# Altium PCB BRZ_BATT_MANAGER.PcbDoc (part 1 of 2) (continued)
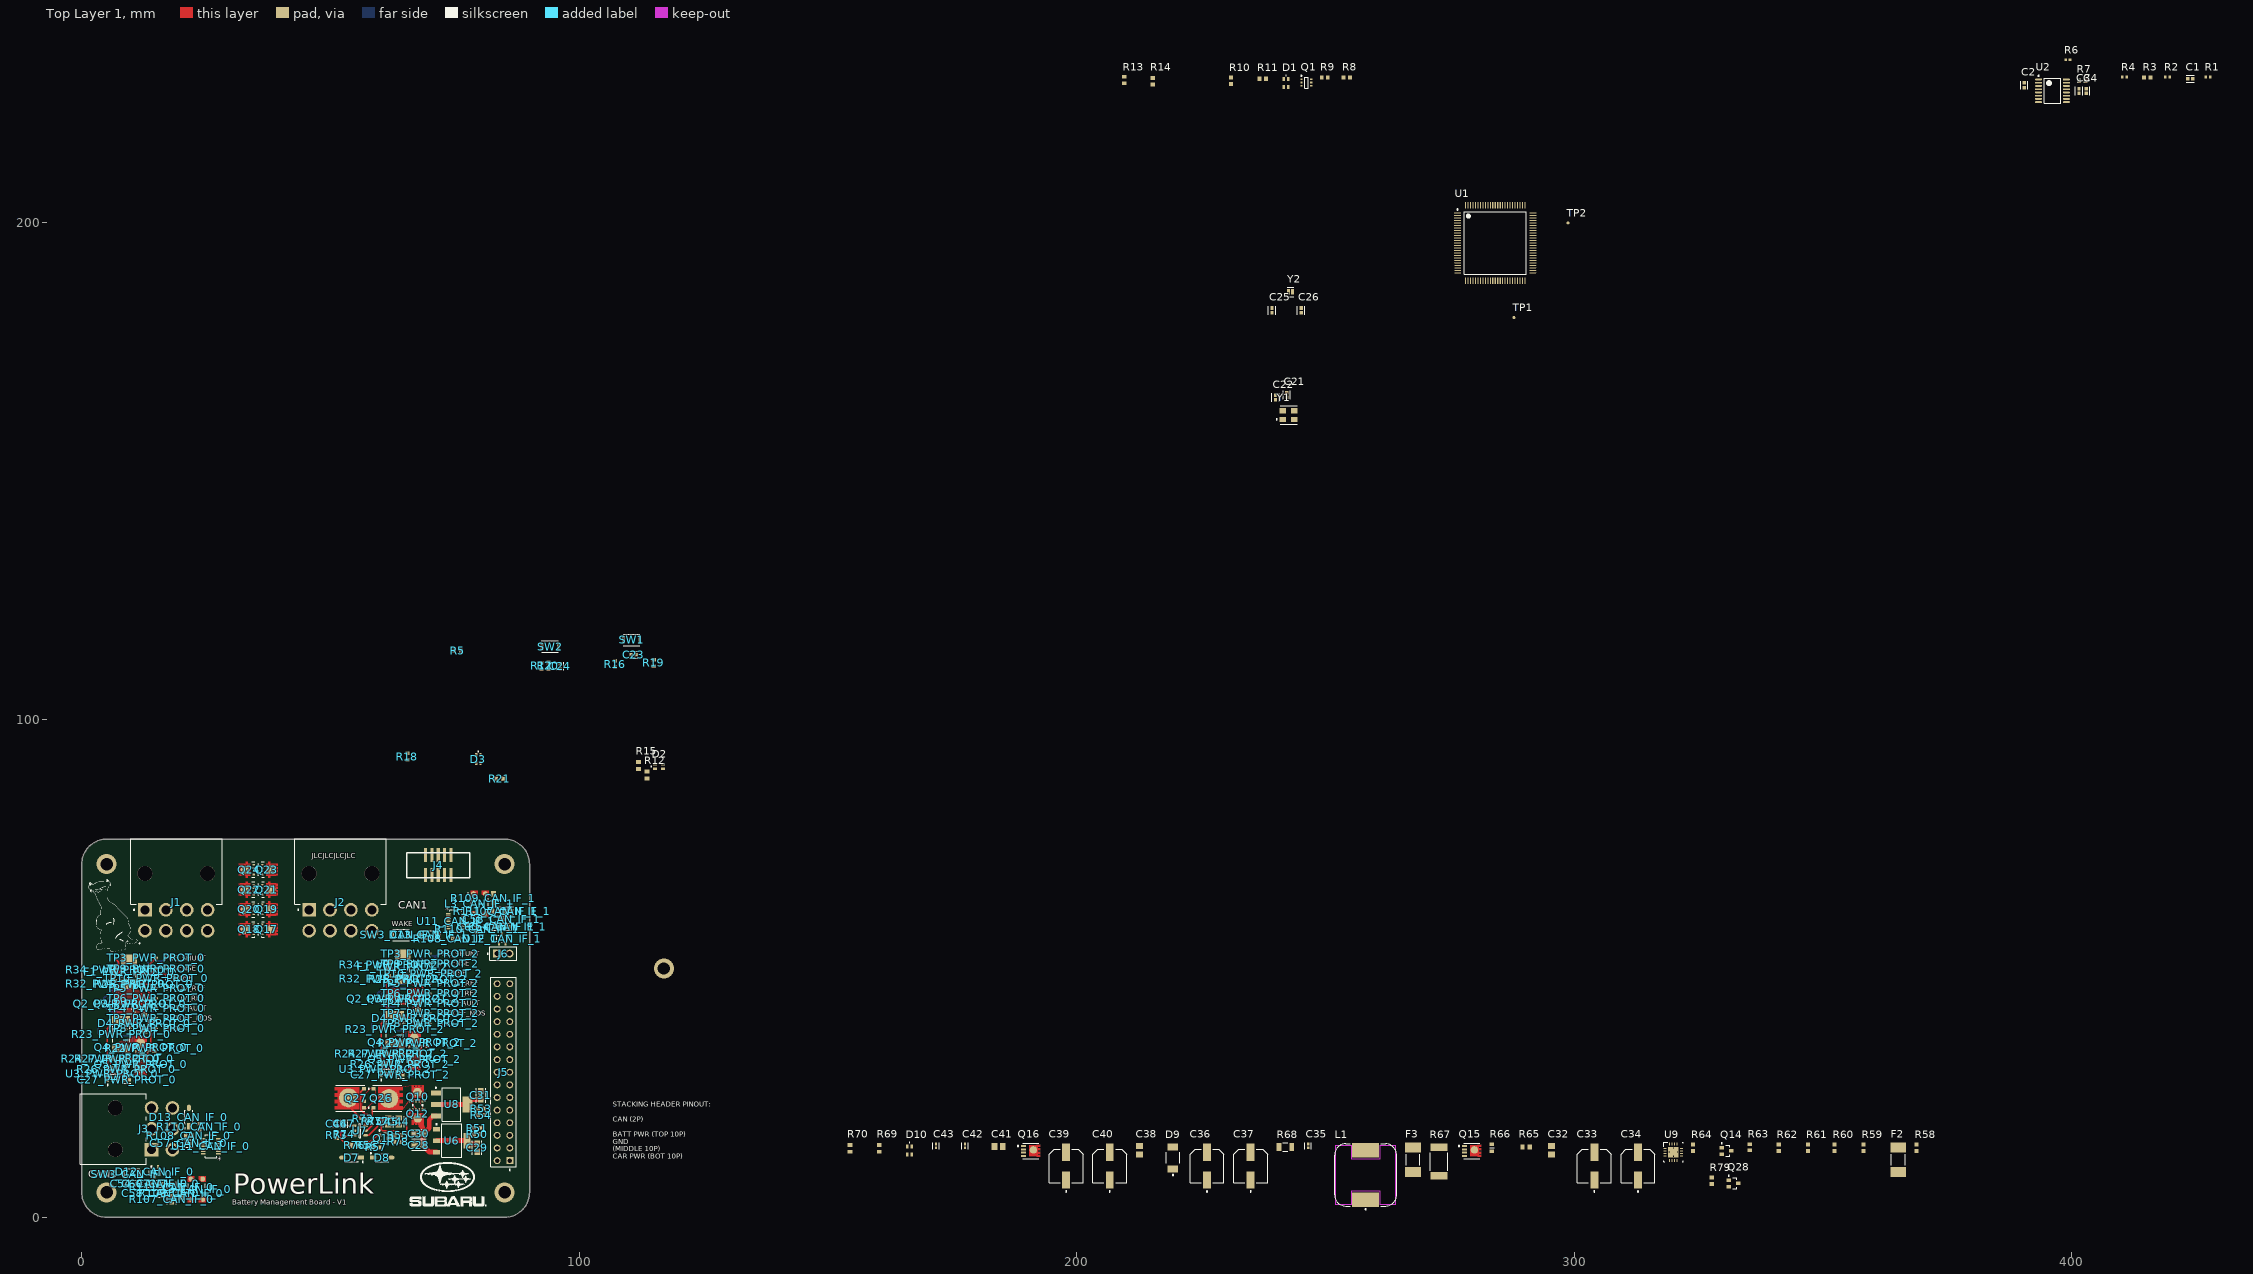
[diagram p0: Top Layer 1 view]
## Components (designator, comment, footprint, x,y, rotation, side; value= is the part's Value field where it differs from the comment) (continued)
Q5_PWR_PROT_2 "SISH615ADN-T1-GE3" SISH615ADN-T1-GE3-Footprint-1#2 66.888,31.228 r180 top (schematic designator Q5)
Q6_PWR_PROT_0 "BSS138W-7-F" DIOD-SOT323-3_V 5.844,30.888 r270 bottom (schematic designator Q6)
Q6_PWR_PROT_2 "BSS138W-7-F" DIOD-SOT323-3_V 60.844,31.888 r270 bottom (schematic designator Q6)
Q7_PWR_PROT_0 "DMG1013UW-7" DIOD-SOT323-3_V 9.525,28.025 r180 bottom (schematic designator Q7)
Q7_PWR_PROT_2 "DMG1013UW-7" DIOD-SOT323-3_V 64.525,29.025 r180 bottom (schematic designator Q7)
Q8_PWR_PROT_0 "BSS138W-7-F" DIOD-SOT323-3_V 8.919,30.888 r270 bottom (schematic designator Q8)
Q8_PWR_PROT_2 "BSS138W-7-F" DIOD-SOT323-3_V 63.919,31.888 r270 bottom (schematic designator Q8)
Q9_PWR_PROT_0 "DMG1013UW-7" DIOD-SOT323-3_V 4.269,39.138 r180 bottom (schematic designator Q9)
Q9_PWR_PROT_2 "DMG1013UW-7" DIOD-SOT323-3_V 59.269,40.138 r180 bottom (schematic designator Q9)
Q10 "SISH615ADN-T1-GE3" SISH615ADN-T1-GE3-Footprint-1#2 67.487,24.77 r0 top
Q11_PWR_PROT_0 "BSS138W-7-F" DIOD-SOT323-3_V 12.019,30.888 r270 bottom (schematic designator Q11)
Q11_PWR_PROT_2 "BSS138W-7-F" DIOD-SOT323-3_V 67.019,31.888 r270 bottom (schematic designator Q11)
Q12 "SISH615ADN-T1-GE3" SISH615ADN-T1-GE3-Footprint-1#2 67.562,20.27 r180 top
Q13 "BSS138W-7-F" DIOD-SOT323-3_V 60.8,15.886 r0 top
Q14 "BSS138W-7-F" DIOD-SOT323-3_V 330.583,13.339 r0 top
Q15 "SIS412DN-T1-GE3" FP-S16-2667-SINGLE-MFG 279.402,13.339 r0 top
Q16 "SIS412DN-T1-GE3" FP-S16-2667-SINGLE-MFG 190.756,13.339 r0 top
Q17 "SISH615ADN-T1-GE3" SISH615ADN-T1-GE3-Footprint-1#2 37.7,57.912 r270 top
Q18 "SISH615ADN-T1-GE3" SISH615ADN-T1-GE3-Footprint-1#2 33.2,57.837 r90 top
Q19 "SISH615ADN-T1-GE3" SISH615ADN-T1-GE3-Footprint-1#2 37.7,61.912 r270 top
Q20 "SISH615ADN-T1-GE3" SISH615ADN-T1-GE3-Footprint-1#2 33.2,61.837 r90 top
Q21 "SISH615ADN-T1-GE3" SISH615ADN-T1-GE3-Footprint-1#2 37.7,65.912 r270 top
Q22 "SISH615ADN-T1-GE3" SISH615ADN-T1-GE3-Footprint-1#2 33.2,65.837 r90 top
Q23 "SISH615ADN-T1-GE3" SISH615ADN-T1-GE3-Footprint-1#2 37.7,69.912 r270 top
Q24 "SISH615ADN-T1-GE3" SISH615ADN-T1-GE3-Footprint-1#2 33.2,69.837 r90 top
Q25 "BSS138W-7-F" DIOD-SOT323-3_V 34,77.35 r180 bottom
Q26 "CSD17579Q5A" FP-DQJ0008A-MFG 61.373,23.932 r0 top
Q27 "CSD17579Q5A" FP-DQJ0008A-MFG 53.968,23.932 r180 top
Q28 "BSS138W-7-F" DIOD-SOT323-3_V 332,6.825 r0 top
Q29_PWR_PROT_0 "DMG1013UW-7" DIOD-SOT323-3_V 13.519,39.113 r0 bottom (schematic designator Q29)
Q29_PWR_PROT_2 "DMG1013UW-7" DIOD-SOT323-3_V 68.519,40.113 r0 bottom (schematic designator Q29)
R1 "0402 JUMPER 0 OHM" RESC1005X40X25NL05T05 427.372,229.225 r0 top
R2 "0402 JUMPER 0 OHM" RESC1005X40X25NL05T05 419.244,229.225 r0 top
R3 "ERJ3EKF1002V" RESC1609X55X30LL15T15 415.18,229.098 r0 top
R4 "0402 JUMPER 0 OHM" RESC1005X40X25NL05T05 410.608,229.225 r0 top
R5 "ERJ3EKF1002V" RESC1609X55X30LL15T15 75.55,113.875 r0 top
R6 "0402 JUMPER 0 OHM" RESC1005X40X25NL05T05 399.225,232.65 r0 top
R7 "ERJ3EKF56R0V" RESC1608X55X30NL15T15 402.1,228.475 r0 top
R8 "ERJ3EKF1002V" RESC1609X55X30LL15T15 254.271,229.098 r0 top
R9 "ERJ-3EKF1001V" RESC1608X55X30LL15T15#1 249.826,229.098 r0 top
R10 "ERJ3EKF1002V" RESC1609X55X30LL15T15 231.03,228.463 r90 top
R11 "ERJ3EKF56R0V" RESC1608X55X30NL15T15 237.38,228.844 r0 top
R12 "ERJ3EKF56R0V" RESC1608X55X30NL15T15 113.6,88.9 r90 top
R13 "ERJ-3EKF1001V" RESC1608X55X30LL15T15#1 209.567,228.59 r90 top
R14 "ERJ3EKF56R0V" RESC1608X55X30NL15T15 215.282,228.336 r90 top
R15 "ERJ3EKF56R0V" RESC1608X55X30NL15T15 111.9,90.8 r90 top
R16 "ERJ-3EKF3300V" RESC1608X55X30LL15T15#2 107.2,111.2 r90 top
R17 "ERJ-3EKF3300V" RESC1608X55X30LL15T15#2 92.425,110.825 r90 top
R18 "ERJ-3EKF3300V" RESC1608X55X30LL15T15#2 65.475,92.613 r90 top
R19 "ERJ3EKF1002V" RESC1609X55X30LL15T15 114.975,111.425 r90 top
R20 "ERJ3EKF1002V" RESC1609X55X30LL15T15 93.8,110.85 r90 top
R21 "ERJ3EKF56R0V" RESC1608X55X30NL15T15 83.975,88.15 r0 top
R22_PWR_PROT_0 "ERJ-3EKF1001V" RESC1608X55X30LL15T15#1 14.6,34 r90 top (schematic designator R22)
R22_PWR_PROT_2 "ERJ-3EKF1001V" RESC1608X55X30LL15T15#1 69.5,35 r90 top (schematic designator R22)
R23_PWR_PROT_0 "WSLP2512R0100FEA" FP-WSLP2512R0100FEA-MFG 7.9,36.795 r270 top (schematic designator R23)
R23_PWR_PROT_2 "WSLP2512R0100FEA" FP-WSLP2512R0100FEA-MFG 62.9,37.795 r270 top (schematic designator R23)
R24_PWR_PROT_0 "ERJ3EKF1002V" RESC1609X55X30LL15T15 5.8,31.85 r180 top (schematic designator R24)
R24_PWR_PROT_2 "ERJ3EKF1002V" RESC1609X55X30LL15T15 60.8,32.85 r180 top (schematic designator R24)
R25_PWR_PROT_0 "ERJ3EKF1002V" RESC1609X55X30LL15T15 12.5,46.85 r90 top (schematic designator R25)
R25_PWR_PROT_2 "ERJ3EKF1002V" RESC1609X55X30LL15T15 67.5,47.85 r90 top (schematic designator R25)
R26_PWR_PROT_0 "ERJ3EKF1002V" RESC1609X55X30LL15T15 8.9,29.75 r90 top (schematic designator R26)
R26_PWR_PROT_2 "ERJ3EKF1002V" RESC1609X55X30LL15T15 63.9,30.75 r90 top (schematic designator R26)
R27_PWR_PROT_0 "RT0603BRD071ML" RESC1608X55X30NL20T20 8.5,31.85 r180 top (schematic designator R27)
R27_PWR_PROT_2 "RT0603BRD071ML" RESC1608X55X30NL20T20 63.5,32.85 r180 top (schematic designator R27)
R28_PWR_PROT_0 "ERJ-3EKF2001V" RESC1608X55X30ML15T15 8.2,51.55 r90 bottom (schematic designator R28)
R28_PWR_PROT_2 "ERJ-3EKF2001V" RESC1608X55X30ML15T15 63.2,52.55 r90 bottom (schematic designator R28)
R29_PWR_PROT_0 "ERJ-3EKF1001V" RESC1608X55X30LL15T15#1 8.175,49.175 r0 bottom (schematic designator R29)
R29_PWR_PROT_2 "ERJ-3EKF1001V" RESC1608X55X30LL15T15#1 63.175,50.175 r0 bottom (schematic designator R29)
R30_PWR_PROT_0 "ERJ-3EKF2001V" RESC1608X55X30ML15T15 6.35,49.9 r270 bottom (schematic designator R30)
R30_PWR_PROT_2 "ERJ-3EKF2001V" RESC1608X55X30ML15T15 61.35,50.9 r270 bottom (schematic designator R30)
R31_PWR_PROT_0 "ERJ-3EKF1001V" RESC1608X55X30LL15T15#1 5.844,34.438 r0 bottom (schematic designator R31)
R31_PWR_PROT_2 "ERJ-3EKF1001V" RESC1608X55X30LL15T15#1 60.844,35.438 r0 bottom (schematic designator R31)
R32_PWR_PROT_0 "ERJ3EKF1002V" RESC1609X55X30LL15T15 6.7,46.9 r90 top (schematic designator R32)
R32_PWR_PROT_2 "ERJ3EKF1002V" RESC1609X55X30LL15T15 61.7,47.9 r90 top (schematic designator R32)
R33_PWR_PROT_0 "ERJ3EKF1002V" RESC1609X55X30LL15T15 5.844,33.113 r180 bottom (schematic designator R33)
R33_PWR_PROT_2 "ERJ3EKF1002V" RESC1609X55X30LL15T15 60.844,34.113 r180 bottom (schematic designator R33)
R34_PWR_PROT_0 "ERJ-3EKF2001V" RESC1608X55X30ML15T15 6.7,49.75 r270 top (schematic designator R34)
R34_PWR_PROT_2 "ERJ-3EKF2001V" RESC1608X55X30ML15T15 61.7,50.75 r270 top (schematic designator R34)
R35_PWR_PROT_0 "ERJ3EKF1002V" RESC1609X55X30LL15T15 11.719,28.063 r270 bottom (schematic designator R35)
R35_PWR_PROT_2 "ERJ3EKF1002V" RESC1609X55X30LL15T15 66.719,29.063 r270 bottom (schematic designator R35)
R36_PWR_PROT_0 "ERJ-3EKF1001V" RESC1608X55X30LL15T15#1 7.844,39.138 r90 bottom (schematic designator R36)
R36_PWR_PROT_2 "ERJ-3EKF1001V" RESC1608X55X30LL15T15#1 62.844,40.138 r90 bottom (schematic designator R36)
R37_PWR_PROT_0 "ERJ-3EKF1001V" RESC1608X55X30LL15T15#1 8.894,34.388 r0 bottom (schematic designator R37)
R37_PWR_PROT_2 "ERJ-3EKF1001V" RESC1608X55X30LL15T15#1 63.894,35.388 r0 bottom (schematic designator R37)
R38_PWR_PROT_0 "ERJ3EKF1002V" RESC1609X55X30LL15T15 8.919,33.063 r180 bottom (schematic designator R38)
R38_PWR_PROT_2 "ERJ3EKF1002V" RESC1609X55X30LL15T15 63.919,34.063 r180 bottom (schematic designator R38)
R39_PWR_PROT_0 "ERJ3EKF1002V" RESC1609X55X30LL15T15 6.519,39.138 r90 bottom (schematic designator R39)
R39_PWR_PROT_2 "ERJ3EKF1002V" RESC1609X55X30LL15T15 61.519,40.138 r90 bottom (schematic designator R39)
R40_PWR_PROT_0 "ERJ3EKF1002V" RESC1609X55X30LL15T15 6.35,47.3 r270 bottom (schematic designator R40)
R40_PWR_PROT_2 "ERJ3EKF1002V" RESC1609X55X30LL15T15 61.35,48.3 r270 bottom (schematic designator R40)
R41_PWR_PROT_0 "ERJ3EKF1002V" RESC1609X55X30LL15T15 7.675,47.3 r270 bottom (schematic designator R41)
R41_PWR_PROT_2 "ERJ3EKF1002V" RESC1609X55X30LL15T15 62.675,48.3 r270 bottom (schematic designator R41)
R42_PWR_PROT_0 "ERJ-3EKF1001V" RESC1608X55X30LL15T15#1 9.969,39.113 r90 bottom (schematic designator R42)
R42_PWR_PROT_2 "ERJ-3EKF1001V" RESC1608X55X30LL15T15#1 64.969,40.113 r90 bottom (schematic designator R42)
R43_PWR_PROT_0 "ERJ-3EKF1004V" FP-ERJ3EK-IPC_C 16.163,47.524 r0 bottom (schematic designator R43)
R43_PWR_PROT_2 "ERJ-3EKF1004V" FP-ERJ3EK-IPC_C 71.163,48.524 r0 bottom (schematic designator R43)
R44_PWR_PROT_0 "ERJ3EKF1002V" RESC1609X55X30LL15T15 11.294,39.113 r270 bottom (schematic designator R44)
R44_PWR_PROT_2 "ERJ3EKF1002V" RESC1609X55X30LL15T15 66.294,40.113 r270 bottom (schematic designator R44)
R45_PWR_PROT_0 "ERJ3EKF1002V" RESC1609X55X30LL15T15 10.325,47.3 r270 bottom (schematic designator R45)
R45_PWR_PROT_2 "ERJ3EKF1002V" RESC1609X55X30LL15T15 65.325,48.3 r270 bottom (schematic designator R45)
R46_PWR_PROT_0 "ERJ3EKF1002V" RESC1609X55X30LL15T15 13.712,47.524 r0 bottom (schematic designator R46)
R46_PWR_PROT_2 "ERJ3EKF1002V" RESC1609X55X30LL15T15 68.712,48.524 r0 bottom (schematic designator R46)
R47_PWR_PROT_0 "ERJ3EKF1002V" RESC1609X55X30LL15T15 9,47.3 r270 bottom (schematic designator R47)
R47_PWR_PROT_2 "ERJ3EKF1002V" RESC1609X55X30LL15T15 64,48.3 r270 bottom (schematic designator R47)
R48_PWR_PROT_0 "ERJ3EKF1002V" RESC1609X55X30LL15T15 17.462,50.424 r180 bottom (schematic designator R48)
R48_PWR_PROT_2 "ERJ3EKF1002V" RESC1609X55X30LL15T15 72.462,51.424 r180 bottom (schematic designator R48)
R49_PWR_PROT_0 "ERJ-3EKF1004V" FP-ERJ3EK-IPC_C 17.412,52.124 r180 bottom (schematic designator R49)
R49_PWR_PROT_2 "ERJ-3EKF1004V" FP-ERJ3EK-IPC_C 72.412,53.124 r180 bottom (schematic designator R49)
R50 "ERJ3EKF1002V" RESC1609X55X30LL15T15 79.5,16.675 r180 top
R51 "ERJ3EKF1002V" RESC1609X55X30LL15T15 79.5,17.925 r0 top
R52_PWR_PROT_0 "ERJ-3EKF1001V" RESC1608X55X30LL15T15#1 12.019,34.463 r0 bottom (schematic designator R52)
R52_PWR_PROT_2 "ERJ-3EKF1001V" RESC1608X55X30LL15T15#1 67.019,35.463 r0 bottom (schematic designator R52)
R53 "ERJ3EKF1002V" RESC1609X55X30LL15T15 80.275,21.8 r180 top
R54 "ERJ3EKF1002V" RESC1609X55X30LL15T15 80.275,20.55 r180 top
R55 "ERJ3EKF1002V" RESC1609X55X30LL15T15 63.575,16.486 r0 top
R56 "ERJ-3EKF1001V" RESC1608X55X30LL15T15#1 57.3,14.525 r270 top
R57 "ERJ3EKF1002V" RESC1609X55X30LL15T15 59.197,14.047 r180 top
R58 "ERJ3EKF1002V" RESC1609X55X30LL15T15 368.81,13.974 r90 top
R59 "ERJ3EKF1002V" RESC1609X55X30LL15T15 358.142,13.974 r90 top
R60 "ERJ3EKF1002V" RESC1609X55X30LL15T15 352.3,13.974 r90 top
R61 "ERJ3EKF1002V" RESC1609X55X30LL15T15 346.966,13.974 r90 top
R62 "ERJ3EKF1002V" RESC1609X55X30LL15T15 341.124,13.974 r90 top
R63 "ERJ-3EKF1001V" RESC1608X55X30LL15T15#1 335.282,14.101 r90 top
R64 "ERJ3EKF1002V" RESC1609X55X30LL15T15 323.852,13.974 r90 top
R65 "ERJ-3EKF1003V" RESC1608X55X30ML15T15 290.324,14.101 r0 top
R66 "ERJ-3EKF2212V" FP-ERJ3EK-MFG 283.466,13.974 r90 top
R67 "RMCF2512JT10R0" FP-RMCF2512-IPC_B 272.798,11.18 r90 top
R68 "CSR1206FT10L0" FP-CSR1206-IPC_C 241.937,14.101 r0 top
R69 "ERJ3EKF56R0V" RESC1608X55X30NL15T15 160.276,13.847 r90 top
R70 "ERJ3EKF56R0V" RESC1608X55X30NL15T15 154.434,13.847 r90 top
R71_PWR_PROT_0 "ERJ3EKF1002V" RESC1609X55X30LL15T15 12.019,33.138 r180 bottom (schematic designator R71)
R71_PWR_PROT_2 "ERJ3EKF1002V" RESC1609X55X30LL15T15 67.019,34.138 r180 bottom (schematic designator R71)
R72 "RC0402JR-070RL" RESC1005X40X25NL05T10 56.6,19.8 r180 top
R73 "ERJ-3EKF1001V" RESC1608X55X30LL15T15#1 51.25,16.525 r270 top
R74 "RC0402JR-070RL" RESC1005X40X25NL05T10 52.8,16.7 r270 top
R75 "RC0402JR-070RL" RESC1005X40X25NL05T10 58.4,19.3 r90 top
R76 "ERJ-3EKF1003V" RESC1608X55X30ML15T15 54.9,14.5 r180 top
R77 "RC0402JR-070RL" RESC1005X40X25NL05T10 59.6,19.3 r90 top
R78 "ERJ-3EKF1001V" RESC1608X55X30LL15T15#1 63.575,15.186 r180 top
R79 "ERJ3EKF1002V" RESC1609X55X30LL15T15 327.625,7.325 r90 top
R80_PWR_PROT_0 "ERJ-3EKF1001V" RESC1608X55X30LL15T15#1 17.437,49.124 r180 bottom (schematic designator R80)
R80_PWR_PROT_2 "ERJ-3EKF1001V" RESC1608X55X30LL15T15#1 72.437,50.124 r180 bottom (schematic designator R80)
R107_CAN_IF_0 "ERJ-3EKF60R4V" FP-ERJ3EK-IPC_C 18.075,3.625 r90 top (schematic designator R107)
R107_CAN_IF_1 "ERJ-3EKF60R4V" FP-ERJ3EK-IPC_C 85.725,61.5 r180 top (schematic designator R107)
R108_CAN_IF_0 "ERJ3EKF1002V" RESC1609X55X30LL15T15 21.55,16.375 r180 top (schematic designator R108)
R108_CAN_IF_1 "ERJ3EKF1002V" RESC1609X55X30LL15T15 75.221,56.025 r0 top (schematic designator R108)
R109_CAN_IF_0 "ERJ-3EKF1200V" RESC1609X55X30ML15T15 20,4.85 r90 top (schematic designator R109)
R109_CAN_IF_1 "ERJ-3EKF1200V" RESC1609X55X30ML15T15 82.75,64.125 r270 top (schematic designator R109)
R110_CAN_IF_0 "ERJ-3EKF1001V" RESC1608X55X30LL15T15#1 23.65,18.175 r90 top (schematic designator R110)
R110_CAN_IF_1 "ERJ-3EKF1001V" RESC1608X55X30LL15T15#1 79.5,57.875 r270 top (schematic designator R110)
R111_CAN_IF_0 "ERJ-3EKF60R4V" FP-ERJ3EK-IPC_C 18.075,6.075 r90 top (schematic designator R111)
R111_CAN_IF_1 "ERJ-3EKF60R4V" FP-ERJ3EK-IPC_C 83.25,61.5 r180 top (schematic designator R111)
R113 "ERJ3EKF1002V" RESC1609X55X30LL15T15 31.754,77.336 r90 bottom
R114 "ERJ-3EKF1001V" RESC1608X55X30LL15T15#1 37.554,77.336 r270 bottom
R115 "ERJ3EKF1002V" RESC1609X55X30LL15T15 36.254,77.336 r90 bottom
SW1 "KXT331LHS" FP-KXT331LHS-MFG 110.525,116.05 r0 top
SW2 "KXT331LHS" FP-KXT331LHS-MFG 94.15,114.7 r0 top
SW3_CAN_IF_0 "KXT331LHS" FP-KXT331LHS-MFG 10.05,8.625 r0 top (schematic designator SW3)
SW3_CAN_IF_1 "KXT331LHS" FP-KXT331LHS-MFG 64.15,56.75 r0 top (schematic designator SW3)
TP1 "TPAD6R" TP06R 287.875,180.85 r90 top
TP2 "TPAD6R" TP06R 298.75,199.875 r90 top
TP3_PWR_PROT_0 "TPAD6R" TP06R 15,52.124 r90 top (schematic designator TP3)
TP3_PWR_PROT_2 "TPAD6R" TP06R 70,53 r90 top (schematic designator TP3)
TP4_PWR_PROT_0 "TPAD6R" TP06R 15,42 r90 top (schematic designator TP4)
TP4_PWR_PROT_2 "TPAD6R" TP06R 70,43 r90 top (schematic designator TP4)
TP5_PWR_PROT_0 "TPAD6R" TP06R 15,46 r90 top (schematic designator TP5)
TP5_PWR_PROT_2 "TPAD6R" TP06R 70,47 r90 top (schematic designator TP5)
TP6_PWR_PROT_0 "TPAD6R" TP06R 15,44 r90 top (schematic designator TP6)
TP6_PWR_PROT_2 "TPAD6R" TP06R 70,45 r90 top (schematic designator TP6)
TP7_PWR_PROT_0 "TPAD6R" TP06R 15,40 r90 top (schematic designator TP7)
TP7_PWR_PROT_2 "TPAD6R" TP06R 70,41 r90 top (schematic designator TP7)
TP8_PWR_PROT_0 "TPAD6R" TP06R 15,38 r90 top (schematic designator TP8)
TP8_PWR_PROT_2 "TPAD6R" TP06R 70,39 r90 top (schematic designator TP8)
TP9_PWR_PROT_0 "TPAD6R" TP06R 15,50 r90 top (schematic designator TP9)
TP9_PWR_PROT_2 "TPAD6R" TP06R 70,51 r90 top (schematic designator TP9)
TP10_PWR_PROT_0 "TPAD6R" TP06R 15,48 r90 top (schematic designator TP10)
TP10_PWR_PROT_2 "TPAD6R" TP06R 70,49 r90 top (schematic designator TP10)
U1 "STM32H730VBT6" FP-LQFP100-1L-IPC_C 284.125,195.85 r0 top
U2 "ADC088S022CIMT/NOPB" MTC16_L 396.13,226.431 r0 top
U3_PWR_PROT_0 "TLV1805DBVR" FP-DBV0006A-IPC_C 6.15,28.8 r90 top (schematic designator U3)
U3_PWR_PROT_2 "TLV1805DBVR" FP-DBV0006A-IPC_C 61.15,29.8 r90 top (schematic designator U3)
U4_PWR_PROT_0 "LM2902Q4T" LM2902Q4T-Footprint-1 8.8,42.76 r0 bottom (schematic designator U4)
U4_PWR_PROT_2 "LM2902Q4T" LM2902Q4T-Footprint-1 63.8,43.76 r0 bottom (schematic designator U4)
U5_PWR_PROT_0 "TLV1805DBVR" FP-DBV0006A-IPC_C 14.137,50.5 r270 bottom (schematic designator U5)
U5_PWR_PROT_2 "TLV1805DBVR" FP-DBV0006A-IPC_C 69.137,51.5 r270 bottom (schematic designator U5)
U6 "LM1117MP-3.3/NOPB" DCY0004A_L 74.375,15.4 r0 top
U7 "AP74700QW6-7" FP-S6-6-05-08-1636-IPC_C 55.917,17.428 r0 top
U8 "LM1117IMP-5.0/NOPB" DCY0004A_M 74.356,22.691 r0 top
U9 "BQ24600RVAR" RVA0016A_V 319.915,13.085 r0 top
U11_CAN_IF_0 "TCAN1146DYYRQ1" TCAN1146DYYRQ1-Footprint-1 25.975,14.275 r180 top (schematic designator U11)
U11_CAN_IF_1 "TCAN1146DYYRQ1" TCAN1146DYYRQ1-Footprint-1 75.2,59.525 r0 top (schematic designator U11)
Y1 "ABM8-48.000MHZ-B2-T" FP-ABM8-MFG 242.575,161.25 r0 top
Y2 "ECS-.327-12.5-1210-TR" FP-ECX-1210-MFG 242.975,186.025 r0 top

## Footprints (in the part's own frame and the unit in brackets; to place one, negate y for a bottom-side part, rotate by r counter-clockwise, add the part's x,y. Pads: shape width x height; smd on the part's side, far side on the other; paste and mask are expansions set on the pad)
3220-10-0300-00-Footprint-1 [mm]
  rect 0.65x2.77 all layers, no hole: 1(0,-4.03) 2(0,0) 3(1.27,-4.03) 4(1.27,0) 5(2.54,-4.03) 6(2.54,0) 7(3.81,-4.03) 8(3.81,0) 9(5.08,-4.03) 10(5.08,0)
  silkscreen extent -3.81,-4.51 8.89,0.49
CAPC2013X70X45NL10T25 [mm] "Chip Capacitor, 2-Leads, Body 2.00x1.25mm, IPC Medium Density"
  rect 1.2x1.4 smd: 1(-0.85,0) 2(0.85,0)
  body extent -1.05,-0.67 1.05,0.67, height 0.7
DCY0004A_L [mm] "SOT223, 4-Leads, Body 6.7x3.7mm, Pitch 2.3mm, IPC High Density"
  rrect11% 1.45x0.9 smd: 1(-3.075,2.3) 2(-3.075,0) 3(-3.075,-2.3)
  rrect7% 1.45x3.15 smd: 4(3.075,0)
  silkscreen extent -3.2,-3.35 2.05,3.42, body extent -3.5,-3.25 3.5,3.25, height 1.62
DCY0004A_M [mm] "SOT223, 4-Leads, Body 6.7x3.7mm, Pitch 2.3mm, IPC Low Density"
  rrect10% 2.05x1 smd: 1(-3.175,2.3) 2(-3.175,0) 3(-3.175,-2.3)
  rrect5% 2.05x3.25 smd: 4(3.175,0)
  silkscreen extent -3.3,-3.35 1.85,3.47, body extent -3.5,-3.25 3.5,3.25, height 1.62
DIOD-SOT323-3_V [mm] "SOT323, 3-Leads, Body 2.2x1.35mm, Pitch 0.65mm"
  rect 0.9x0.7 smd: 1(-0.95,0.65) 2(-0.95,-0.65) 3(0.95,0)
  silkscreen extent -1.07,-1.1 0.67,1.67, body extent -1.1,-1.1 1.1,1.1, height 1.07
FP-6-534206-5-MFG [mm]
  rect 1.39x1.39 hole 0.89 paste-2539.97 mask+0: 1(-17.78,-1.27)
  round 1.39 hole 0.89 paste-2539.97 mask+0: 2(-17.78,1.27) 3(-15.24,-1.27) 4(-15.24,1.27) 5(-12.7,-1.27) 6(-12.7,1.27) 7(-10.16,-1.27) 8(-10.16,1.27) 9(-7.62,-1.27) 10(-7.62,1.27) 11(-5.08,-1.27) 12(-5.08,1.27) 13(-2.54,-1.27) 14(-2.54,1.27) 15(0,-1.27) 16(0,1.27) 17(2.54,-1.27) 18(2.54,1.27) 19(5.08,-1.27) 20(5.08,1.27) 21(7.62,-1.27) 22(7.62,1.27) 23(10.16,-1.27) 24(10.16,1.27) 25(12.7,-1.27) 26(12.7,1.27) 27(15.24,-1.27) 28(15.24,1.27) 29(17.78,-1.27) 30(17.78,1.27)
  silkscreen extent -19.77,-2.58 19.05,2.58, body extent -19.15,-2.68 19.15,2.68, height 0.25
FP-0402-L_1_0_0_05-W_0_5-IPC_A [mm]
  rect 0.715x0.672 smd paste+0 mask+0: 1(-0.479,0) 2(0.479,0)
  silkscreen extent -0.84,-0.74 0.84,0.74, body extent -1.04,-0.54 1.04,0.54, height 0.25
FP-0679L-MFG [mm]
  rect 1.96x3.15 smd paste+0 mask+0: 1(-2.455,0) 2(2.455,0)
  silkscreen extent -1.1,-1.4 1.1,1.4, body extent -3.53,-1.68 3.53,1.68, height 0.25
FP-45586-0005-MFG [mm]
  rect 2.75x2.75 hole 1.8 paste-2539.97 mask+0: 1(-6.3,-7.5)
  round 2.75 hole 1.8 paste-2539.97 mask+0: 2(-2.1,-7.5) 3(2.1,-7.5) 4(6.3,-7.5) 5(-6.3,-11.7) 6(-2.1,-11.7) 7(2.1,-11.7) 8(6.3,-11.7)
  round 3 hole 3 unplated paste-2539.97 mask+0: ""(-6.3,-0.2) ""(6.3,-0.2)
  silkscreen extent -9.19,-7.62 9.19,6.78, body extent -9.29,-13.18 9.29,6.88, height 0.25
FP-455580003-MFG [mm]
  rect 2.75x2.75 hole 1.8 paste-2539.97 mask+0: 1(-4.2,-7.5)
  round 2.75 hole 1.8 paste-2539.97 mask+0: 2(0,-7.5) 3(4.2,-7.5) 4(-4.2,-11.7) 5(0,-11.7) 6(4.2,-11.7)
  round 3 hole 3 unplated paste-2539.97 mask+0: ""(-4.2,-0.2) ""(4.2,-0.2)
  silkscreen extent -7.81,-7.63 7.09,6.78, body extent -7.19,-13.18 7.19,6.88, height 0.25
FP-ABM8-MFG [mm]
  rect 1.3x1.05 smd paste+0 mask+0: 1(-1.15,-0.875) 2(1.15,-0.875) 3(1.15,0.875) 4(-1.15,0.875)
  silkscreen extent -2.5,-1.88 1.7,1.88, body extent -1.9,-1.5 1.9,1.5, height 0.25
FP-BLM15-0_05-MFG [mm]
  rect 0.4x0.5 smd paste+0 mask+0: 1(-0.4,0) 2(0.4,0)
  silkscreen extent -0.53,-0.63 0.52,0.63, body extent -0.5,-0.25 0.5,0.25, height 0.55
FP-C0805C-DN-MFG [mm]
  rect 0.95x1.35 smd paste+0 mask+0: 1(-0.75,0) 2(0.75,0)
  silkscreen extent -1.1,-1.07 1.1,1.07, body extent -1.4,-0.85 1.4,0.85, height 0.25
FP-CL278-IPC_C [mm]
  rect 0.515x0.472 smd paste+0 mask+0: 1(-0.379,0) 2(0.379,0)
  silkscreen extent -0.64,-0.67 0.64,0.67, body extent -0.74,-0.38 0.74,0.38, height 0.25
FP-CSR1206-IPC_C [mm]
  rect 0.956x1.608 smd paste+0 mask+0: 1(-1.276,0) 2(1.276,0)
  silkscreen extent -0.5,-0.85 0.5,0.85, body extent -1.85,-0.95 1.85,0.95, height 0.25
FP-DBV0006A-IPC_C [mm]
  rect 1.205x0.53 smd paste+0 mask+0: 1(-1.05,0.95)
  rrect100% 1.205x0.53 smd paste+0 mask+0: 2(-1.05,0) 3(-1.05,-0.95) 4(1.05,-0.95) 5(1.05,0) 6(1.05,0.95)
  silkscreen extent -2.33,-1.45 0.05,1.45, body extent -1.75,-1.55 1.75,1.55, height 0.25
FP-DQJ0008A-MFG [mm]
  rect 0.75x0.675 smd paste-1000 mask+0: 1(-2.752,1.905) 2(-2.752,0.635) 3(-2.752,-0.635) 4(-2.752,-1.905)
  round 3.821 smd paste-1000 mask+0: 5-6-7-8(0.35,-0.07)
  Top Layer 1 region: 3.127,-2.242 3.127,-1.568 2.472,-1.568 2.472,-0.972 3.127,-0.972 3.127,-0.297 2.472,-0.297 2.472,0.298 3.127,0.298 3.127,0.973 2.472,0.973 2.472,1.568 3.127,1.568 3.127,2.243 -1.823,2.242 -1.823,-2.242
  silkscreen extent -3.82,-2.63 2.9,2.63, body extent -3.23,-2.6 3.23,2.6, height 0.25
FP-ECX-1210-MFG [mm]
  rect 0.575x1.14 smd paste+0 mask+0: 1(-0.413,0) 2(0.413,0)
  silkscreen extent -0.65,-0.95 0.65,0.95, body extent -0.8,-0.67 0.8,0.67, height 0.25
FP-ERJ3EK-IPC_C [mm]
  rect 0.757x0.862 smd paste+0 mask+0: 1(-0.651,0) 2(0.651,0)
  silkscreen extent -1.03,-0.87 1.03,0.87, body extent -0.8,-0.4 0.8,0.4, height 0.55
FP-ERJ3EK-MFG [mm]
  rect 0.65x0.9 smd paste+0 mask+0: 1(-0.725,0) 2(0.725,0)
  silkscreen extent 0,-0.48 0,0.48, body extent -1.15,-0.58 1.15,0.58, height 0.25
FP-GRM188-0_2-IPC_A [mm]
  rect 1.305x1.106 smd paste+0 mask+0: 1(-0.801,0) 2(0.801,0)
  silkscreen extent -1.45,-0.95 1.45,0.95, body extent -1.95,-1.05 1.95,1.05, height 0.25
FP-KXT331LHS-MFG [mm]
  rect 0.55x1.5 smd paste+0 mask+0: 1(-1.625,0) 2(1.625,0)
  silkscreen extent -1.65,-1.15 1.65,1.15, body extent -2,-1.25 2,1.25, height 0.25
FP-LQFP100-1L-IPC_C [mm]
  rect 1.355x0.212 smd paste+0 mask+0: 1(-7.575,6)
  rrect100% 1.355x0.212 smd paste+0 mask+0: 2(-7.575,5.5) 3(-7.575,5) 4(-7.575,4.5) 5(-7.575,4) 6(-7.575,3.5) 7(-7.575,3) 8(-7.575,2.5) 9(-7.575,2) 10(-7.575,1.5) 11(-7.575,1) 12(-7.575,0.5) 13(-7.575,0) 14(-7.575,-0.5) 15(-7.575,-1) 16(-7.575,-1.5) 17(-7.575,-2) 18(-7.575,-2.5) 19(-7.575,-3) 20(-7.575,-3.5) 21(-7.575,-4) 22(-7.575,-4.5) 23(-7.575,-5) 24(-7.575,-5.5) 25(-7.575,-6) 51(7.575,-6) 52(7.575,-5.5) 53(7.575,-5) 54(7.575,-4.5) 55(7.575,-4) 56(7.575,-3.5) 57(7.575,-3) 58(7.575,-2.5) 59(7.575,-2) 60(7.575,-1.5) 61(7.575,-1) 62(7.575,-0.5) 63(7.575,0) 64(7.575,0.5) 65(7.575,1) 66(7.575,1.5) 67(7.575,2) 68(7.575,2.5) 69(7.575,3) 70(7.575,3.5) 71(7.575,4) 72(7.575,4.5) 73(7.575,5) 74(7.575,5.5) 75(7.575,6)
  rrect100% 0.212x1.355 smd paste+0 mask+0: 26(-6,-7.575) 27(-5.5,-7.575) 28(-5,-7.575) 29(-4.5,-7.575) 30(-4,-7.575) 31(-3.5,-7.575) 32(-3,-7.575) 33(-2.5,-7.575) 34(-2,-7.575) 35(-1.5,-7.575) 36(-1,-7.575) 37(-0.5,-7.575) 38(0,-7.575) 39(0.5,-7.575) 40(1,-7.575) 41(1.5,-7.575) 42(2,-7.575) 43(2.5,-7.575) 44(3,-7.575) 45(3.5,-7.575) 46(4,-7.575) 47(4.5,-7.575) 48(5,-7.575) 49(5.5,-7.575) 50(6,-7.575) 76(6,7.575) 77(5.5,7.575) 78(5,7.575) 79(4.5,7.575) 80(4,7.575) 81(3.5,7.575) 82(3,7.575) 83(2.5,7.575) 84(2,7.575) 85(1.5,7.575) 86(1,7.575) 87(0.5,7.575) 88(0,7.575) 89(-0.5,7.575) 90(-1,7.575) 91(-1.5,7.575) 92(-2,7.575) 93(-2.5,7.575) 94(-3,7.575) 95(-3.5,7.575) 96(-4,7.575) 97(-4.5,7.575) 98(-5,7.575) 99(-5.5,7.575) 100(-6,7.575)
  silkscreen extent -7.7,-6.25 6.25,6.83, body extent -8.35,-8.35 8.35,8.35, height 0.25
FP-OS-CON-SMT-C6-MFG [mm]
  rect 3.5x1.6 smd paste+0 mask+0: 1(-2.8,0) 2(2.8,0)
  silkscreen extent -5.22,-3.4 3.4,3.4, body extent -4.8,-3.65 4.8,3.65, height 0.25
FP-RMCF2512-IPC_B [mm]
  rect 1.504x3.455 smd paste+0 mask+0: 1(-2.851,0) 2(2.851,0)
  silkscreen extent -1.8,-1.73 1.8,1.73, body extent -3.85,-1.98 3.85,1.98, height 0.25
FP-S6-6-05-08-1636-IPC_C [mm]
  rect 0.94x0.486 smd paste+0 mask+0: 1(-1.115,0.95)
  rrect100% 0.94x0.486 smd paste+0 mask+0: 2(-1.115,0) 3(-1.115,-0.95) 4(1.116,-0.95) 5(1.116,0) 6(1.116,0.95)
  silkscreen extent -2.21,-1.45 0.15,1.45, body extent -1.69,-1.55 1.69,1.55, height 0.25
FP-S16-2667-SINGLE-MFG [mil]
  rect 39x16 smd paste+0 mask+0: 1(-56.5,39) 2(-56.5,13) 3(-56.5,-13) 4(-56.5,-39)
  round 59.4 smd paste+0 mask+0: 5-6-7-8(21,8)
  Top Layer 1 region: -12,44 46,44 46,47 76,47 76,31 56,31 56,21 76,21 76,5 56,5 56,-5 76,-5 76,-21 56,-21 56,-31 76,-31 76,-47 46,-47 46,-44 -12,-44
  silkscreen extent -106,-62 62,62, body extent -80,-71 80,71, height 10
FP-SOD128-MFG [mm]
  rect 1.4x2.1 smd paste-1000 mask+0: 1(-2.2,0) 2(2.2,0)
  silkscreen extent -3.57,-1.35 1.12,1.35, body extent -3.1,-1.7 3.1,1.7, height 0.25
FP-SOD-123-IPC_A [mm]
  rect 1.308x0.762 smd paste+0 mask+0: 1(-1.825,0)
  rrect100% 1.308x0.762 smd paste+0 mask+0: 2(1.825,0)
  silkscreen extent -2.39,-0.8 1.35,1.01, body extent -1.85,-0.8 1.85,0.8, height 1.35
FP-SOT323-3L-MFG [mm]
  rect 0.7x0.42 smd paste+0 mask+0: 1(-1,0.65) 2(-1,-0.65) 3(1,0)
  silkscreen extent -0.67,-1.1 0.67,1.1, body extent -1.45,-1.2 1.45,1.2, height 0.25
FP-SRF4532-MFG [mm]
  round 0.99 smd paste+0 mask+0: 1(-2.05,-1.25) 2(2.05,-1.25)
  round 0.97 smd paste+0 mask+0: 3(2.05,1.125) 4(-2.05,1.125)
  Top Layer 1 region: -2.6,-1.8 -2.6,-0.45 -1.9,-0.45 -1.5,-0.95 -1.5,-1.8
  Top Layer 1 region: 1.5,-1.8 1.5,-0.95 1.9,-0.45 2.6,-0.45 2.6,-1.8
  Top Layer 1 region: 1.5,1.8 2.6,1.8 2.6,0.45 1.9,0.45 1.5,0.95
  Top Layer 1 region: -2.6,0.45 -2.6,1.8 -1.5,1.8 -1.5,0.95 -1.9,0.45
  silkscreen extent -2.17,-2.47 1.12,1.7, body extent -2.7,-1.9 2.7,1.9, height 0.25
FP-TSW-102-07-L-S-MFG [mm]
  rect 1.57x1.57 hole 1.02 paste-2539.97 mask+0: 1(-1.27,0)
  round 1.57 hole 1.02 paste-2539.97 mask+0: 2(1.27,0)
  silkscreen extent -3.25,-1.34 2.73,1.34, body extent -2.83,-1.44 2.83,1.44, height 0.25
FP-WSLP2512R0100FEA-MFG [mm]
  rect 1.65x3.68 smd paste+0 mask+0: 1(-2.855,0) 2(2.855,0)
  silkscreen extent -1.65,-1.72 1.66,1.72, body extent -3.78,-1.94 3.78,1.94, height 0.25
LM2902Q4T-Footprint-1 [mm]
  rrect25% 0.84x0.26 smd: 1(-1.435,0.75) 2(-1.435,0.25) 3(-1.435,-0.25) 4(-1.435,-0.75) 9(1.435,-0.75) 10(1.435,-0.25) 11(1.435,0.25) 12(1.435,0.75)
  rrect25% 0.26x0.84 smd: 5(-0.75,-1.435) 6(-0.25,-1.435) 7(0.25,-1.435) 8(0.75,-1.435) 13(0.75,1.435) 14(0.25,1.435) 15(-0.25,1.435) 16(-0.75,1.435)
  silkscreen extent -2.09,-1.5 1.5,2.1
MTC16_L [mm] "TSOP, 16-Leads, Body 5x4.4mm, Pitch 0.65mm, IPC High Density"
  oval 1.4x0.35 smd: 1(-2.8,2.275) 2(-2.8,1.625) 3(-2.8,0.975) 4(-2.8,0.325) 5(-2.8,-0.325) 6(-2.8,-0.975) 7(-2.8,-1.625) 8(-2.8,-2.275) 9(2.8,-2.275) 10(2.8,-1.625) 11(2.8,-0.975) 12(2.8,-0.325) 13(2.8,0.325) 14(2.8,0.975) 15(2.8,1.625) 16(2.8,2.275)
  silkscreen extent -2.92,-2.55 1.7,3.12, body extent -2.25,-2.55 2.25,2.55, height 1.1
NXP-SOT363_L [mm] "SOT23, 6-Leads, Body 2.2x1.35mm, Pitch 0.65mm, IPC High Density"
  rect 0.45x0.35 smd: 1(-0.975,0.65) 2(-0.975,0) 3(-0.975,-0.65) 4(0.975,-0.65) 5(0.975,0) 6(0.975,0.65)
  silkscreen extent -1.1,-1.1 0.35,1.5, body extent -0.67,-1.1 0.67,1.1, height 1.1
ONSC-SOD-123-2-425-04_V [mm] "SOD, 2-Leads, Body 2.69x1.6mm"
  rect 0.91x1.22 smd: 1(-1.635,0) 2(1.635,0)
  silkscreen extent -1.76,-0.8 0.78,1.28, body extent -1.35,-0.8 1.35,0.8, height 1.35
RESC1005X40X25NL05T05 [mm] "Chip Resistor, 2-Leads, Body 1.00x0.50mm, IPC Medium Density"
  rect 0.55x0.55 smd: 1(-0.45,0) 2(0.45,0)
  body extent -0.53,-0.27 0.53,0.28, height 0.4
RESC1005X40X25NL05T10 [mm] "Chip Resistor, 2-Leads, Body 1.00x0.50mm, IPC Medium Density"
  rect 0.6x0.55 smd: 1(-0.425,0) 2(0.425,0)
  body extent -0.53,-0.27 0.53,0.28, height 0.4
RESC1608X55X30LL15T15#1 [mm] "Chip Resistor, 2-Leads, Body 1.60x0.80mm, IPC High Density"
  rect 0.7x0.85 smd: 1(-0.625,0) 2(0.625,0)
  body extent -0.87,-0.48 0.87,0.48, height 0.55
RESC1608X55X30LL15T15#2 [mm] "Chip Resistor, 2-Leads, Body 1.75x0.95mm, IPC High Density"
  rect 0.75x0.85 smd: 1(-0.65,0) 2(0.65,0)
  body extent -0.87,-0.48 0.87,0.48, height 0.55
RESC1608X55X30ML15T15 [mm] "Chip Resistor, 2-Leads, Body 1.60x0.80mm, IPC Low Density"
  rect 0.9x1.05 smd: 1(-0.725,0) 2(0.725,0)
  body extent -0.87,-0.48 0.87,0.48, height 0.55
RESC1608X55X30NL15T15 [mm] "Chip Resistor, 2-Leads, Body 1.60x0.80mm, IPC Medium Density"
  rect 0.8x0.95 smd: 1(-0.675,0) 2(0.675,0)
  body extent -0.87,-0.48 0.87,0.48, height 0.55
RESC1608X55X30NL20T20 [mm] "Chip Resistor, 2-Leads, Body 1.60x0.80mm, IPC Medium Density"
  rect 0.9x1 smd: 1(-0.65,0) 2(0.65,0)
  body extent -0.9,-0.5 0.9,0.5, height 0.55
RESC1609X55X30LL15T15 [mm] "Chip Resistor, 2-Leads, Body 1.75x0.95mm, IPC High Density"
  rect 0.75x0.85 smd: 1(-0.65,0) 2(0.65,0)
  body extent -0.87,-0.48 0.87,0.48, height 0.55
RESC1609X55X30ML15T15 [mm] "Chip Resistor, 2-Leads, Body 1.75x0.95mm, IPC Low Density"
  rect 1.15x1.05 smd: 1(-0.85,0) 2(0.85,0)
  body extent -0.87,-0.48 0.87,0.48, height 0.55
RVA0016A_V [mm] "QFN, 16-Leads, Body 3.5x3.5mm, Pitch 0.5mm, Thermal Pad 2.14x2.14mm, TI Recommended"
  rrect42% 0.6x0.24 smd: 1(-1.65,0.75) 2(-1.65,0.25) 3(-1.65,-0.25) 4(-1.65,-0.75) 9(1.65,-0.75) 10(1.65,-0.25) 11(1.65,0.25) 12(1.65,0.75)
  rrect42% 0.24x0.6 smd: 5(-0.75,-1.65) 6(-0.25,-1.65) 7(0.25,-1.65) 8(0.75,-1.65) 13(0.75,1.65) 14(0.25,1.65) 15(-0.25,1.65) 16(-0.75,1.65)
  rrect5% 2.14x2.14 smd paste-1.07: 17(0,0)
  silkscreen extent -1.95,-1.95 1.95,1.95, body extent -1.8,-1.8 1.8,1.8, height 1.01
SISH615ADN-T1-GE3-Footprint-1#1 [mm]
  rect 0.35x0.5 smd paste+0 mask+0: 1(-0.937,-1.4) 2(-0.288,-1.4) 3(0.363,-1.4) 4(1.012,-1.4)
  round 0.025 smd: 5-6-7-8(0.038,0.51)
  Top Layer 1 region: -1.187,-0.63 -1.187,-0.215 -1.568,-0.215 -1.568,0.215 -1.187,0.215 -1.187,1.35 -1.137,1.35 -1.137,1.65 -0.737,1.65 -0.737,1.35 -0.487,1.35 -0.487,1.65 -0.088,1.65 -0.088,1.35 0.163,1.35 0.163,1.65 0.563,1.65 0.563,1.35 0.813,1.35 0.813,1.65 1.212,1.65 1.212,1.35 1.262,1.35 1.262,0.215 1.643,0.215 1.643,-0.215 1.262,-0.215 1.262,-0.63
  silkscreen extent -1.51,-2.37 1.59,-1.01, body extent -1.67,-1.75 1.74,1.75, height 0.25
SISH615ADN-T1-GE3-Footprint-1#2 [mm]
  rect 0.35x0.5 smd paste+0 mask+0: 1(-0.937,-1.4) 2(-0.288,-1.4) 3(0.363,-1.4) 4(1.012,-1.4)
  round 1.769 smd paste+0 mask+0: 5-6-7-8(0,0.367)
  Top Layer 1 region: -1.187,-0.63 -1.187,-0.215 -1.568,-0.215 -1.568,0.215 -1.187,0.215 -1.187,1.35 -1.137,1.35 -1.137,1.65 -0.737,1.65 -0.737,1.35 -0.487,1.35 -0.487,1.65 -0.088,1.65 -0.088,1.35 0.163,1.35 0.163,1.65 0.563,1.65 0.563,1.35 0.813,1.35 0.813,1.65 1.212,1.65 1.212,1.35 1.262,1.35 1.262,0.215 1.643,0.215 1.643,-0.215 1.262,-0.215 1.262,-0.63
  silkscreen extent -1.51,-2.37 1.59,-1.01, body extent -1.67,-1.75 1.74,1.75, height 0.25
TCAN1146DYYRQ1-Footprint-1 [mil]
  rect 38.5x12 smd paste+0 mask+0: 1(-60.75,59.07) 2(-60.75,39.38) 3(-60.75,19.69) 4(-60.75,0) 5(-60.75,-19.69) 6(-60.75,-39.38) 7(-60.75,-59.07) 8(60.75,-59.07) 9(60.75,-39.38) 10(60.75,-19.69) 11(60.75,0) 12(60.75,19.69) 13(60.75,39.38) 14(60.75,59.07)
  silkscreen extent -47,-90 100,90, body extent -66,-84 66,84, height 43
TP06R [mm] "Testpoint, round, d=0.6mm"
  round 0.6 smd paste-1: 1(0,0)
WE-PD_1280 [mm] "SMT Shielded Power Inductor, 2-leads, body 12x12mm"
  rect 5.4x2.9 smd: 1(0,-4.95) 2(0,4.95)
  Top Layer 1 keep-out region: -6,6 -2.9,6 -2.9,3.3 2.9,3.3 2.9,6 6,6 6,-6 2.9,-6 2.9,-3.3 -2.9,-3.3 -2.9,-6 -6,-6
  silkscreen extent -6.25,-7.02 6.25,6.25, body extent -6,-6 6,6, height 7.51
WL-SBCD_0606 [mm] "SMT Bi-color Chip LED Diffuesed, body 1.5x1.6mm"
  rect 0.5x0.8 smd: 1(-0.45,0.8) 2(-0.45,-0.8) 3(0.45,-0.8) 4(0.45,0.8)
  silkscreen extent -0.07,1.48 0.08,1.62, body extent -0.75,-0.8 0.75,0.8, height 0.55

## Part data
C1 C2 C3 C4 C5 C6 C7 C8 C9 C10 C11 C12 C13 C14 C15 C16 C17 C18 C19 C20 C21 C22 C23 C24 C25 C26 C27_PWR_PROT_0 C27_PWR_PROT_2 C46 C47 C54_CAN_IF_0 C54_CAN_IF_1 C55_CAN_IF_0 C55_CAN_IF_1 C56_CAN_IF_0 C56_CAN_IF_1 C57_CAN_IF_0 C57_CAN_IF_1 C58_CAN_IF_0 C58_CAN_IF_1 C59_CAN_IF_0 C59_CAN_IF_1 C60_CAN_IF_0 C60_CAN_IF_1: library part CMP-001-00058-1, "LARGE PADS, 0402 CAP, CHANGE COMMENT TO MATCH REAL P/N", Capacitor Type=Ceramic, Case/Package=0402, Max Operating Temperature=85°C, Min Operating Temperature=-55°C, Mounting Technology="Surface Mount", Pins=2, RoHS Compliant=Yes
C28 C29 C30 C31: library part CMP-06035-045268-1, "Chip Multilayer Ceramic Capacitors for General Purpose, 0603, 10uF, X5R, 15%, 10%, 25V", Case/Package=0603
C32 C38 C41: library part CMP-2007-00957-1, Manufacturer=Murata, Part Number=GRM216R61E105KA12D
C33 C34 C36 C37 C39 C40: library part CMP-05428-000804-1, "Conductive Polymer Aluminum Solid Capacitors (OS-CON) 10uF ±20% 50V", Capacitance=10uF, Case/Package=Radial, ESR (Equivalent Series Resistance)=40mR, Leakage Current=100uA, Max Operating Temperature=105°C, Min Operating Temperature=-55°C, Package Quantity=1000, Ripple Current=2.5A, Tolerance=20%, Voltage=50V, Construction=Cylindrical, Diameter=6.3mm, Dissipation Factor=12%, Height=5.9mm, Height - Seated (Max)=0.236inch, Lead Free="Lead Free", Length=5.9mm, Life (Hours)=5000Hour, Mount="Surface Mount", Number of Pins=6, Packaging="Tape and Reel", REACH SVHC="No SVHC", Ripple Current (AC)=2.5A, RoHS Compliant=Yes, Series="OS-CON, SVPF", Termination=SMD/SMT, Voltage Rating=50V, Voltage Rating (DC)=50V
C35 C42 C43: library part CMP-13271-000728-1, "Cap Ceramic 100nF 25V X5R ±10% SMD 0402 +85°C Paper T/R", Capacitance=100nF, Case Code (Imperial)=0402, Case Code (Metric)=1005, Dielectric=X5R, Max Operating Temperature=85°C, Min Operating Temperature=-55°C, Package Quantity=1, Tolerance=10%, Voltage=25V, Case/Package=0402, Depth=0.5mm, Height=0.5mm, Lead Free="Lead Free", Length=1mm, Mount="Surface Mount", Packaging="Tape and Reel", Radiation Hardening=No, Thickness=0.022inch, Voltage Rating=25V, Voltage Rating (DC)=25V, Width=0.02inch